# Altium PCB 20211129_mach tren NCKH.PcbDoc (part 1 of 2)
Units mm, origin at the board's own origin, x right, y up, seen from the top; angles counter-clockwise.
Board outline 85.42 x 125.35 mm, 2 copper layers (Top Layer, Bottom Layer); 157 components, 109 nets, 462 pads, 90 vias.
Unrouted connection lines stored in the file: 3.
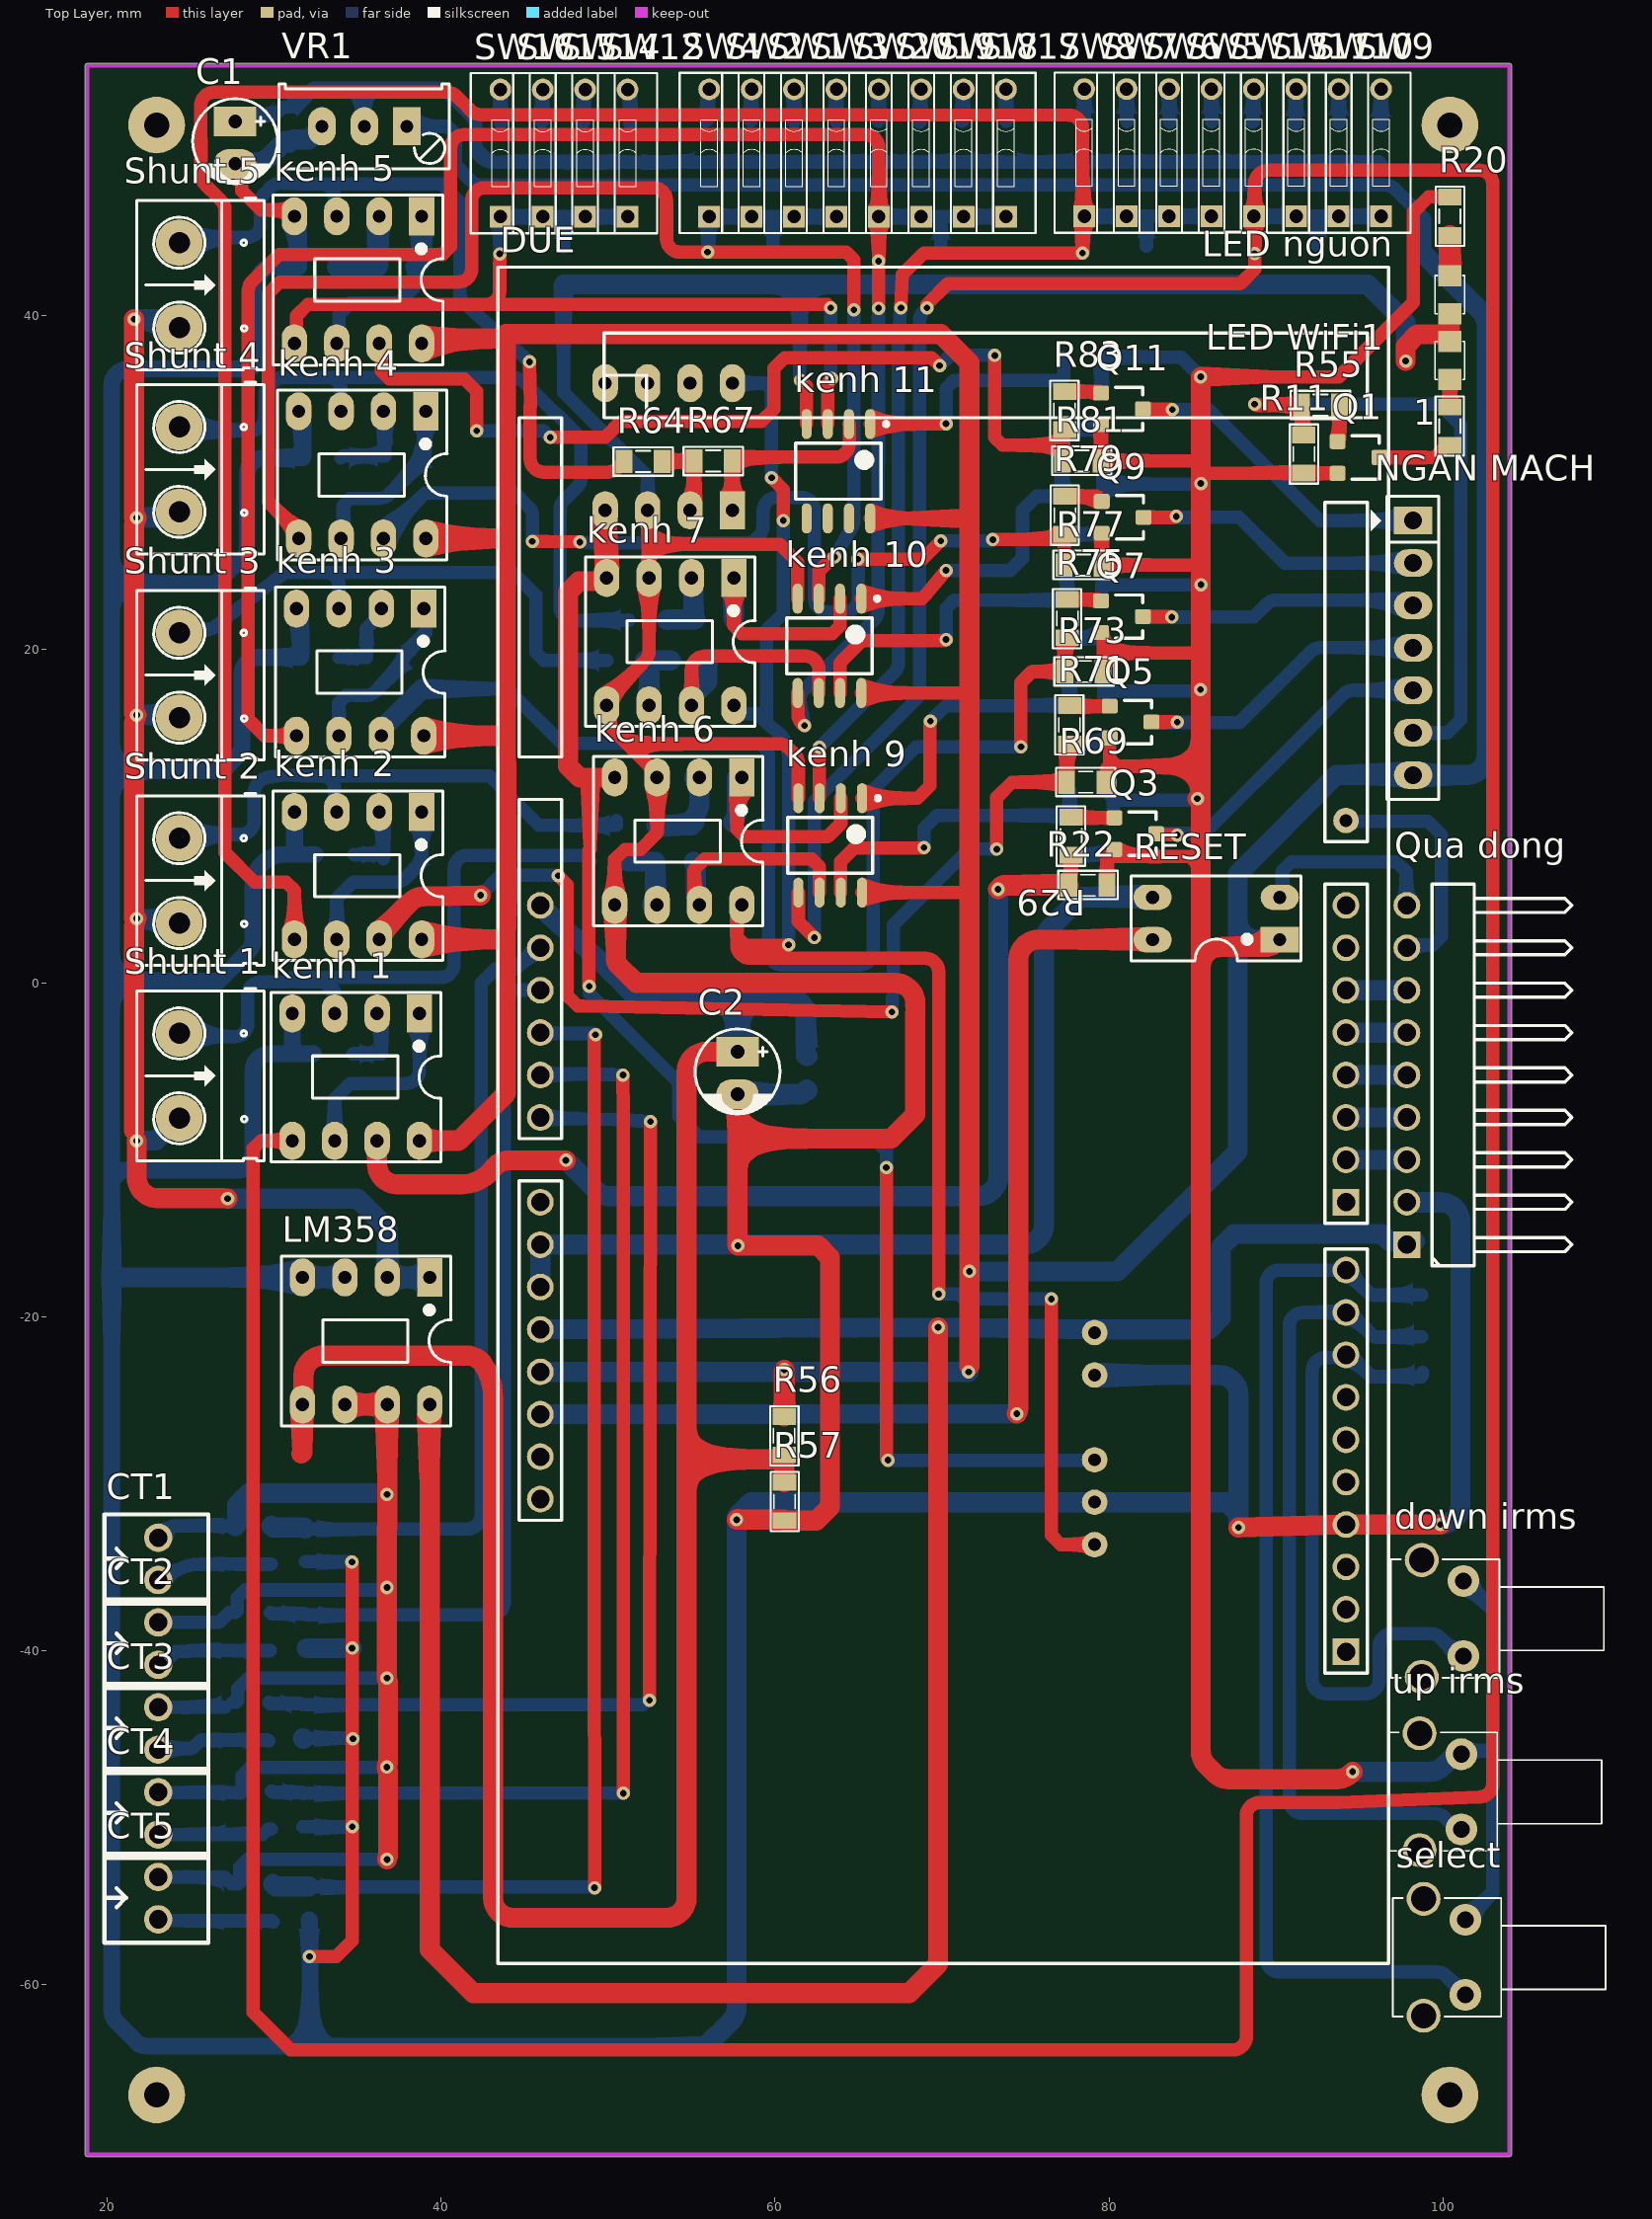
[diagram p0: Top Layer view]
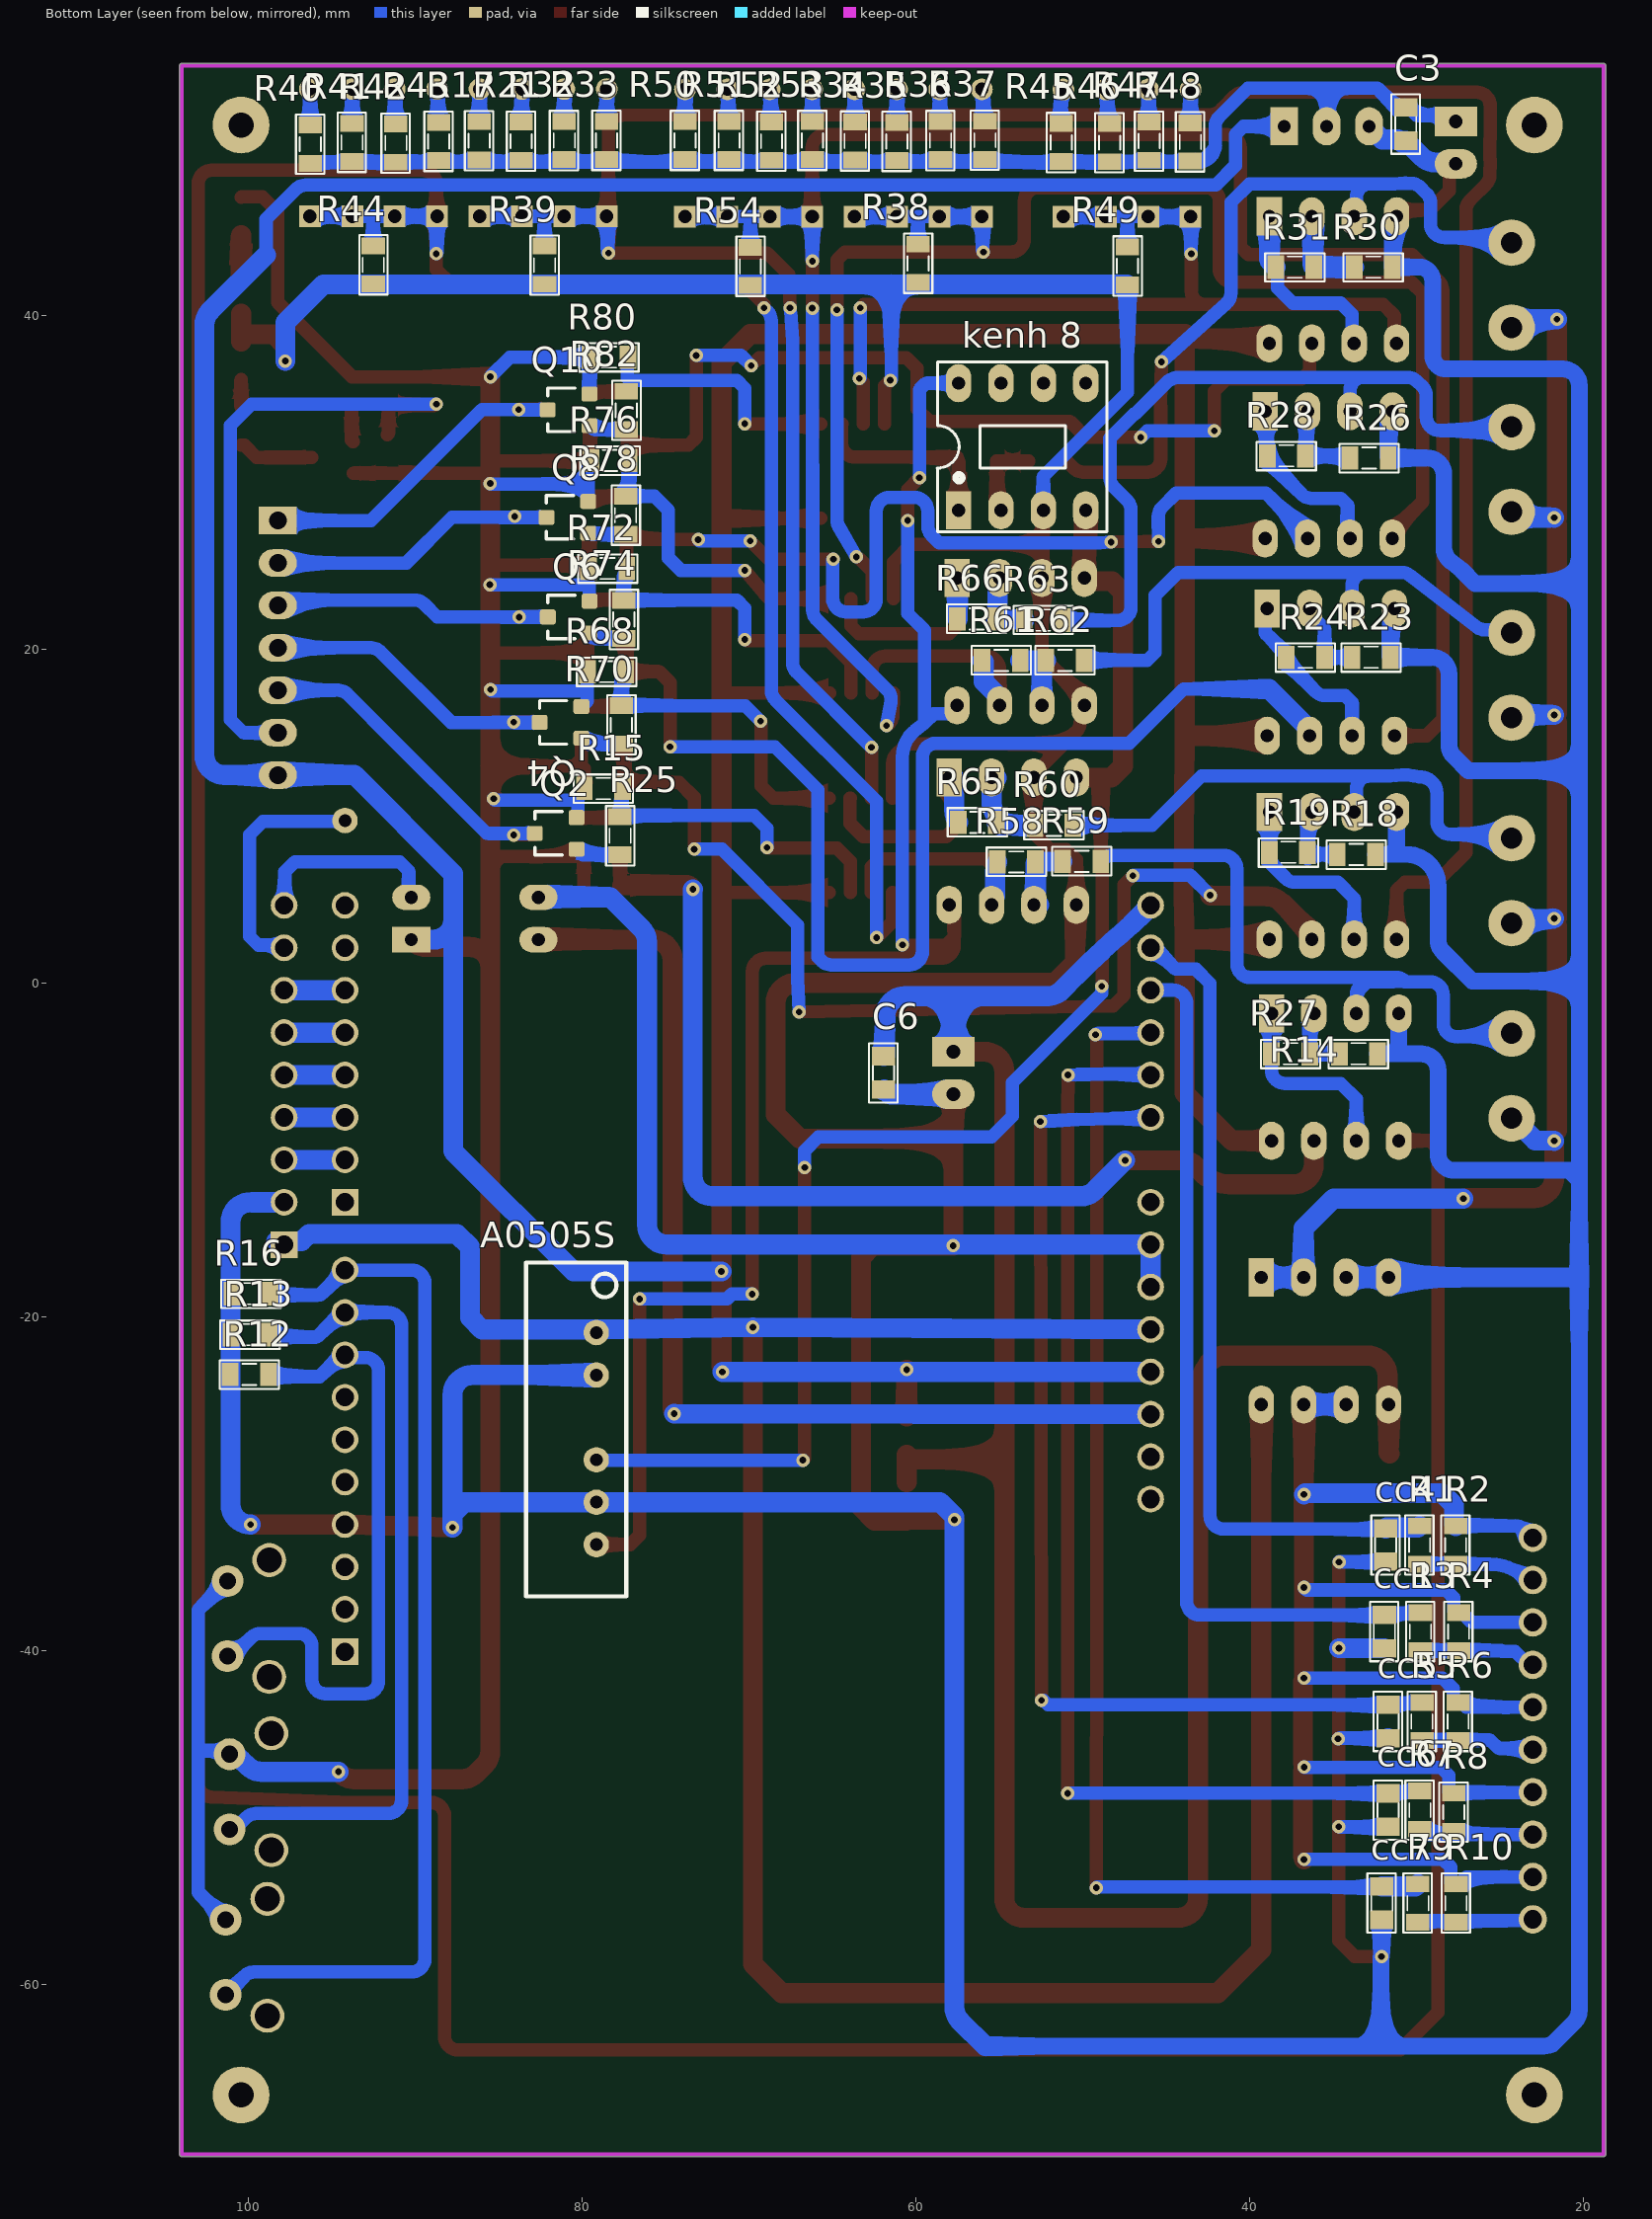
[diagram p1: Bottom Layer view, seen from below]

## Layer stack, top to bottom
Top Solder: solder mask 0.0102, Solder Resist, Dk 3.5
Top Layer: signal copper 0.0356
Dielectric 1: dielectric 0.32, FR-4, Dk 4.8
Bottom Layer: signal copper 0.0356
Bottom Solder: solder mask 0.0102, Solder Resist, Dk 3.5

## Board outline
18.684,-70.145 ccw(c18.811,-70.145) 18.811,-70.273 103.98,-70.273 ccw(c103.98,-70.145) 104.107,-70.145 104.107,54.95 ccw(c103.98,54.95) 103.98,55.077 18.811,55.077 ccw(c18.811,54.95) 18.684,54.95

## Design rules (kind name [scope] priority, off if disabled: settings)
Clearance [All] p1: gap=0.4 ignorepadtopadclearanceinfootprint=FALSE
PolygonConnect [All] p1: connectstyle=Relief reliefconductorwidth=0.254 reliefentries=4 polygonreliefangle="90 Angle" airgapwidth=0.254
RoutingVias [All] p1: holewidth=0.4 width=0.8 viastyle="Through Hole" minholewidth=0.4 minwidth=0.8 maxholewidth=0.4 maxwidth=0.8
SolderMaskExpansion [All] p1: expansion=0.102 istentingtop=FALSE
Width [All] p1: maxlimit=1.2 minlimit=0.6 preferedwidth=0.8
30 further rules are at their usual default settings.

## Components (designator, comment, footprint, x,y, rotation, side; value= is the part's Value field where it differs from the comment)
1 "470" RES-SMD-0805 100.424,33.36 r270 top
A0505S "A0505S" A0505S 79.147,-20.931 r90 bottom
C1 "470uf" CP1/2 27.661,51.616 r270 top value=10uF/50V
C2 "470uf" CP1/2 57.752,-4.105 r270 top value=10uF/50V
C3 "104" CN-SMD-0805 30.658,51.454 r270 bottom value=33pF
C6 "105" CN-SMD-0805 61.943,-5.375 r270 bottom value=33pF
cc1 "223" CN-SMD-0805 31.939,-38.838 r270 bottom value=33pF
cc4 "223" CN-SMD-0805 31.863,-33.655 r270 bottom value=33pF
cc5 "223" CN-SMD-0805 31.715,-44.223 r270 bottom value=33pF
cc6 "223" CN-SMD-0805 31.719,-49.529 r270 bottom value=33pF
cc7 "223" CN-SMD-0805 32.092,-55.101 r270 bottom value=33pF
CT1 "Termial 2.54 2P" "Termial 2P 2.54" 23.05,-34.482 r90 top
CT2 "Termial 2.54 2P" "Termial 2P 2.54" 23.05,-39.562 r90 top
CT3 "Termial 2.54 2P" "Termial 2P 2.54" 23.05,-44.642 r90 top
CT4 "Termial 2.54 2P" "Termial 2P 2.54" 23.05,-49.722 r90 top
CT5 "Termial 2.54 2P" "Termial 2P 2.54" 23.05,-54.802 r90 top
"down irms" "SW" SW1-DIP 101.238,-40.304 r90 top value="SW chip 2 pin"
DUE "Arduino DUE" "Arduino MEGA2560" 69.436,-9.312 r270 top locked value="Cau 1A"
"kenh 1" "LM358" DIP8 35.019,-5.629 r180 top
"kenh 2" "LM358" DIP8 35.146,6.436 r180 top
"kenh 3" "LM358" DIP8 35.273,18.628 r180 top
"kenh 4" "LM358" DIP8 35.4,30.439 r180 top
"kenh 5" "LM358" DIP8 35.146,42.123 r180 top
"kenh 6" "LM358" DIP8 54.328,8.505 r180 top
"kenh 7" "LM358" DIP8 53.85,20.453 r180 top
"kenh 8" "LM358" DIP8 53.763,32.124 r180 bottom locked
"kenh 9" "LM358" SO8 63.301,8.249 r270 top
"kenh 10" "LM358" SO8 63.258,20.205 r270 top
"kenh 11" "LM358" SO8 63.794,30.66 r270 top
"LED nguon" "LED" LED-0805-Blue 100.424,42.377 r270 top value="LED 3 - 5 ly 2 Colour"
"LED WiFi1" "LED" LED-0805-Green 100.424,36.154 r90 top value="LED 3 - 5 ly 2 Colour"
LM358 "LM358" DIP8 35.629,-21.434 r180 top
"NGAN MACH" "JP7 PIN" JP7 98.219,27.705 r270 top locked value=JP7
Q1 "si2303" si2303 94.947,31.485 r270 top value=IRF840
Q2 "si2303" si2303 81.577,8.971 r90 bottom value=IRF840
Q3 "si2303" si2303 81.578,8.951 r270 top value=IRF840
Q4 "si2303" si2303 81.291,15.617 r90 bottom value=IRF840
Q5 "si2303" si2303 81.295,15.64 r270 top value=IRF840
Q6 "si2303" si2303 80.801,21.929 r90 bottom value=IRF840
Q7 "si2303" si2303 80.778,21.949 r270 top value=IRF840
Q8 "si2303" si2303 80.881,27.899 r90 bottom value=IRF840
Q9 "si2303" si2303 80.818,27.899 r270 top value=IRF840
Q10 "si2303" si2303 80.809,34.339 r90 bottom value=IRF840
Q11 "si2303" si2303 80.777,34.393 r270 top value=IRF840
"Qua dong" "JP9" JP9-D1C 100.386,5.928 r90 top
R1 "1k" RES-SMD-0805 29.831,-33.655 r270 bottom
R2 "10R" RES-SMD-0805 27.672,-33.655 r270 bottom
R3 "1k" RES-SMD-0805 29.78,-38.838 r270 bottom
R4 "10R" RES-SMD-0805 27.494,-38.838 r270 bottom
R5 "1k" RES-SMD-0805 29.683,-44.223 r270 bottom
R6 "10R" RES-SMD-0805 27.524,-44.223 r270 bottom
R7 "1k" RES-SMD-0805 29.814,-49.529 r270 bottom
R8 "10R" RES-SMD-0805 27.782,-49.656 r270 bottom
R9 "1k" RES-SMD-0805 29.933,-55.101 r270 bottom
R10 "10R" RES-SMD-0805 27.647,-55.101 r270 bottom
R11 "470" RES-SMD-0805 91.675,31.692 r90 top
R12 "10K" RES-SMD-0805 99.928,-23.435 r180 bottom
R13 "10K" RES-SMD-0805 99.887,-21.052 r180 bottom
R14 "1k" RES-SMD-0805 33.495,-4.232 r180 bottom
R15 "470" RES-SMD-0805 78.72,11.661 r180 bottom
R16 "10K" RES-SMD-0805 99.833,-18.602 r180 bottom
R17 "2k" RES-SMD-0805 86.158,50.453 r270 bottom
R18 "1k" RES-SMD-0805 33.622,7.706 r180 bottom
R19 "9K" RES-SMD-0805 37.686,7.833 r180 bottom
R20 "470" RES-SMD-0805 100.424,45.933 r90 top
R21 "5.1k" RES-SMD-0805 83.644,50.428 r270 bottom
R22 "470" RES-SMD-0805 78.743,5.864 r180 top
R23 "1k" RES-SMD-0805 32.733,19.517 r180 bottom
R24 "9K" RES-SMD-0805 36.67,19.517 r180 bottom
R25 "470" RES-SMD-0805 77.726,8.825 r90 bottom
R26 "1k" RES-SMD-0805 32.86,31.455 r180 bottom
R27 "9K" RES-SMD-0805 37.559,-4.232 r180 bottom
R28 "9K" RES-SMD-0805 37.813,31.582 r180 bottom
R29 "470" RES-SMD-0805 77.733,8.803 r270 top
R30 "1k" RES-SMD-0805 32.606,42.885 r180 bottom
R31 "9K" RES-SMD-0805 37.305,42.885 r180 bottom
R32 "2.7k" RES-SMD-0805 81.068,50.466 r270 bottom
R33 "1.1k" RES-SMD-0805 78.53,50.478 r270 bottom
R34 "2k" RES-SMD-0805 63.645,50.441 r270 bottom
R35 "5.1k" RES-SMD-0805 61.144,50.416 r270 bottom
R36 "2.7k" RES-SMD-0805 58.529,50.47 r270 bottom
R37 "1.1k" RES-SMD-0805 55.864,50.482 r270 bottom
R38 "1k" RES-SMD-0805 59.874,43.115 r90 bottom
R39 "1k" RES-SMD-0805 82.245,43.008 r90 bottom
R40 "2k" RES-SMD-0805 96.273,50.249 r270 bottom
R41 "5.1k" RES-SMD-0805 93.778,50.358 r270 bottom
R42 "2.7k" RES-SMD-0805 91.152,50.315 r270 bottom
R43 "1.1k" RES-SMD-0805 88.585,50.416 r270 bottom
R44 "1k" RES-SMD-0805 92.506,43.023 r90 bottom
R45 "2k" RES-SMD-0805 51.297,50.348 r270 bottom
R46 "5.1k" RES-SMD-0805 48.397,50.34 r270 bottom
R47 "2.7k" RES-SMD-0805 46.028,50.433 r270 bottom
R48 "1.1k" RES-SMD-0805 43.566,50.387 r270 bottom
R49 "1k" RES-SMD-0805 47.329,42.954 r90 bottom
R50 "2k" RES-SMD-0805 73.826,50.471 r270 bottom
R51 "5.1k" RES-SMD-0805 71.192,50.471 r270 bottom
R52 "2.7k" RES-SMD-0805 68.648,50.428 r270 bottom
R53 "1.1k" RES-SMD-0805 66.197,50.471 r270 bottom
R54 "1k" RES-SMD-0805 69.921,42.933 r90 bottom
R55 "470" RES-SMD-0805 92.665,34.617 r180 top
R56 "12K" RES-SMD-0805 60.545,-27.111 r90 top
R57 "12K" RES-SMD-0805 60.57,-31.046 r90 top
R58 "10k" RES-SMD-0805 53.981,7.256 r0 bottom
R59 "1k" RES-SMD-0805 50.072,7.296 r0 bottom
R60 "1k" RES-SMD-0805 51.735,9.449 r0 bottom
R61 "10k" RES-SMD-0805 54.891,19.332 r0 bottom
R62 "1k" RES-SMD-0805 51.072,19.332 r0 bottom
R63 "1k" RES-SMD-0805 52.37,21.74 r0 bottom
R64 "1k" RES-SMD-0805 52.101,31.253 r0 top
R65 "10k" RES-SMD-0805 56.319,9.626 r0 bottom
R66 "10k" RES-SMD-0805 56.365,21.815 r0 bottom
R67 "10k" RES-SMD-0805 56.3,31.281 r0 top
R68 "470" RES-SMD-0805 78.531,18.656 r180 bottom
R69 "470" RES-SMD-0805 78.612,12.032 r180 top
R70 "470" RES-SMD-0805 77.647,15.472 r90 bottom
R71 "470" RES-SMD-0805 77.639,15.471 r270 top
R72 "470" RES-SMD-0805 78.465,24.837 r180 bottom
R73 "470" RES-SMD-0805 78.508,18.661 r180 top
R74 "470" RES-SMD-0805 77.501,21.782 r90 bottom
R75 "470" RES-SMD-0805 77.508,21.835 r270 top
R76 "470" RES-SMD-0805 78.321,31.306 r180 bottom
R77 "470" RES-SMD-0805 78.448,25.042 r180 top
R78 "470" RES-SMD-0805 77.389,28.026 r90 bottom
R79 "470" RES-SMD-0805 77.363,28.031 r270 top
R80 "470" RES-SMD-0805 78.391,37.494 r180 bottom
R81 "470" RES-SMD-0805 78.369,31.279 r180 top
R82 "470" RES-SMD-0805 77.348,34.304 r90 bottom
R83 "470" RES-SMD-0805 77.342,34.295 r270 top
RESET "PC817" DIP4 90.23,2.601 r90 top
select "SW" SW1-DIP 101.348,-60.597 r90 top value="SW chip 2 pin"
"Shunt 1" "Header 2_1" HED2 24.316,-3.012 r270 top value="Header 2"
"Shunt 2" "Header 2_1" HED2 24.316,8.68 r270 top value="Header 2"
"Shunt 3" "Header 2_1" HED2 24.316,20.983 r270 top value="Header 2"
"Shunt 4" "Header 2_1" HED2 24.316,33.308 r270 top value="Header 2"
"Shunt 5" "Header 2_1" HED2 24.316,44.347 r270 top value="Header 2"
SW1 "SW" SW-DIP1-1 61.135,49.724 r0 top value="SW chip 2 pin"
SW2 "SW" SW-DIP1-1 58.595,49.724 r0 top value="SW chip 2 pin"
SW3 "SW" SW-DIP1-1 63.675,49.724 r0 top value="SW chip 2 pin"
SW4 "SW" SW-DIP1-1 56.055,49.724 r0 top value="SW chip 2 pin"
SW5 "SW" SW-DIP1-1 86.142,49.741 r0 top value="SW chip 2 pin"
SW6 "SW" SW-DIP1-1 83.602,49.741 r0 top value="SW chip 2 pin"
SW7 "SW" SW-DIP1-1 81.062,49.741 r0 top value="SW chip 2 pin"
SW8 "SW" SW-DIP1-1 78.522,49.741 r0 top value="SW chip 2 pin"
SW9 "SW" SW-DIP1-1 96.302,49.741 r0 top value="SW chip 2 pin"
SW10 "SW" SW-DIP1-1 93.762,49.741 r0 top value="SW chip 2 pin"
SW11 "SW" SW-DIP1-1 91.222,49.741 r0 top value="SW chip 2 pin"
SW12 "SW" SW-DIP1-1 51.167,49.714 r0 top value="SW chip 2 pin"
SW13 "SW" SW-DIP1-1 88.682,49.741 r0 top value="SW chip 2 pin"
SW14 "SW" SW-DIP1-1 48.627,49.714 r0 top value="SW chip 2 pin"
SW15 "SW" SW-DIP1-1 46.087,49.714 r0 top value="SW chip 2 pin"
SW16 "SW" SW-DIP1-1 43.547,49.714 r0 top value="SW chip 2 pin"
SW17 "SW" SW-DIP1-1 73.835,49.724 r0 top value="SW chip 2 pin"
SW18 "SW" SW-DIP1-1 71.295,49.724 r0 top value="SW chip 2 pin"
SW19 "SW" SW-DIP1-1 68.755,49.724 r0 top value="SW chip 2 pin"
SW20 "SW" SW-DIP1-1 66.215,49.724 r0 top value="SW chip 2 pin"
"up irms" "SW" SW1-DIP 101.109,-50.679 r90 top value="SW chip 2 pin"
VR1 "10K" VR1 37.938,51.32 r180 top value="VR 10K"

## Footprints (in the part's own frame and the unit in brackets; to place one, negate y for a bottom-side part, rotate by r counter-clockwise, add the part's x,y. Pads: shape width x height; smd on the part's side, far side on the other; paste and mask are expansions set on the pad)
A0505S [mil]
  round 60 hole 30: 0(-400,0) 5V(0,0) GND(-100,0) V+(-500,0) V-(-300,0)
  silkscreen extent -622,-71 165,165, body extent -622,-71 165,165, height 354
"Arduino MEGA2560" [mm]
  round 1.6 hole 1.1: 0-RX(-13.97,24.765) 1-TX(-11.43,24.765) 2(-8.89,24.765) 3V3(13.97,-23.495) 4(-3.81,24.765) 5V(11.43,-23.495) 8(7.874,24.765) 12(18.034,24.765) 13(20.574,24.765) A0(-1.27,-23.495) A1(-3.81,-23.495) A2(-6.35,-23.495) A3(-8.89,-23.495) A4(-11.43,-23.495) A5(-13.97,-23.495) AREF(25.654,24.765) GND(6.35,-23.495) GND(8.89,-23.495) GND(23.114,24.765) IOREF(19.05,-23.495) RESET(16.51,-23.495) SDA(28.194,24.765) Vin(3.81,-23.495) ~3(-6.35,24.765) ~5(-1.27,24.765) ~6(1.27,24.765) ~9(10.414,24.765) ~10(12.954,24.765) ~11(15.494,24.765) ""(21.59,-23.495)
  rect 1.6x1.6 hole 1.1: 7(3.81,24.765) SCL(30.734,24.765)
  round 0 all layers, no hole: ""(-46.99,-23.495) ""(-40.64,24.765) ""(-16.51,9.525) ""(-16.51,-18.415) ""(34.29,24.765) ""(35.56,-23.495)
  silkscreen extent -52.2,-26.04 49.4,27.31, body extent -52.07,-26.03 55.88,27.31, height 15.2
CN-SMD-0805 [mm]
  rect 1.1x1.397 smd: 1(-1,0) 2(1,0)
  silkscreen extent -1.78,-0.86 1.78,0.84, body extent -1,-0.62 1,0.63, height 0.8
CP1/2 [mil] "Tu hoa < 22uF/16>50V"
  rect 70x100 hole 32: 1(0,0)
  oval 70x100 hole 32: 2(100,0)
  silkscreen extent -53,-100 146,100, body extent -49,-99 149,99, height 287
DIP4 [mil]
  rect 60x90 hole 31: 1(0,0)
  oval 60x90 hole 31: 2(100,0) 3(100,300) 4(0,300)
  silkscreen extent -50,-50 150,350, body extent -59,-10 159,305, height 170
DIP8 [mil] "DIP, 8-Leads, Row Spacing 7.62mm, Pitch 2.54mm, Body 9.91x6.73mm"
  rect 60x90 hole 31: 1(-145,-150)
  oval 60x90 hole 31: 2(-45,-150) 3(55,-150) 4(155,-150) 5(155,150) 6(55,150) 7(-45,150) 8(-145,150)
  silkscreen extent -195,-200 205,200, body extent -213,-153 213,153, height 177
HED2 [mil] "Header 2, 2 pin, hight 300mil, Pin to Pin 200, Colour Green"
  round 110 hole 50: 1(0,0) 2(200,0)
  silkscreen extent -106,-100 300,200, body extent -92,-140 302,155, height 394
JP7 [mil] "JP7"
  rect 65x90 hole 42: 1(0,0)
  oval 65x90 hole 42: 2(100,0) 3(200,0) 4(300,0) 5(400,0) 6(500,0) 7(600,0)
  silkscreen extent -57,-100 658,60, body extent -50,-49 646,49, height 323
JP9-D1C [mm] "9 pins, 1 row, right angled, gold plating"
  rect 1.6x1.6 hole 1.1: 1(-21.59,2.54)
  round 1.6 hole 1.1: 2(-19.05,2.54) 3(-16.51,2.54) 4(-13.97,2.54) 5(-11.43,2.54) 6(-8.89,2.54) 7(-6.35,2.54) 8(-3.81,2.54) 9(-1.27,2.54)
  silkscreen extent -22.86,-7.34 0,1.04, body extent -22.86,-7.52 0,2.84, height 2.55
LED-0805-Blue [mil]
  rect 50x55 smd: 1(0,0) 2(90,0)
  silkscreen extent 0,-35 90,35, body extent 5,-25 85,25, height 43
LED-0805-Green [mil]
  rect 50x55 smd: 1(0,0) 2(90,0)
  silkscreen extent 0,-35 90,35, body extent 5,-25 85,25, height 43
RES-SMD-0805 [mil]
  rect 39.37x55 smd: 1(-45,0) 2(45,0)
  silkscreen extent -70,-34 70,33, body extent -39,-25 39,25, height 31
si2303 [mm] "SOT23-132"
  rrect30% 0.9x0.95 smd: 1(-0.95,-1.25) 3(0,1.25)
  rrect30% 0.9x0.95 smd mask+0: 2(0.95,-1.25)
  silkscreen extent -1.3,-0.38 1.3,1.25, body extent -1.52,-1.23 1.48,1.27, height 1.06
SO8 [mm] "SOIC, 8-Leads, Body 4.9x3.9mm, Pitch 1.27mm, IPC High Density"
  oval 1.8x0.6 smd: 1(-2.825,1.905) 2(-2.825,0.635) 3(-2.825,-0.635) 4(-2.825,-1.905) 5(2.825,-1.905) 6(2.825,-0.635) 7(2.825,0.635) 8(2.825,1.905)
  silkscreen extent -2.95,-2.55 1.68,2.98, body extent -2.99,-2.45 3,2.45, height 1.6
SW1-DIP [mil]
  round 75 hole 40: 1(0,0) 2(177.16,0)
  round 80 hole 60: ""(-49.21,98.42) ""(226.38,98.42)
  silkscreen extent -51,-331 228,171, body extent -87,-398 265,160, height 283
SW-DIP1-1 [mm] "01p, 2.54mm Pitch, Horizontal, Box Type, THT, flat Actuator, red, without Tape, Tube"
  rect 1.3x1.3 hole 0.8: 1(0,-3.81)
  round 1.3 hole 0.8: 2(0,3.81)
  silkscreen extent -1.77,-4.8 1.77,4.8, body extent -1.77,-4.8 1.77,4.8, height 5.4
"Termial 2P 2.54" [mm] "2P-2.54"
  round 1.7 hole 1.1: 1(1.27,0) 2(-1.27,0)
  silkscreen extent -2.67,-3 2.66,3.21, body extent -2.77,-3.1 2.77,3.1, height 8.5
VR1 [mil] "Variable Resistor"
  rect 65x90 hole 30: 1(0,0)
  oval 65x90 hole 30: 2(100,0) 3(200,0)
  silkscreen extent -100,-100 301,100, body extent -88,-130 288,110, height 455

## Part data
1 R1 R2 R3 R4 R5 R6 R7 R8 R9 R10 R11 R12 R13 R14 R15 R16 R17 R18 R19 R20 R21 R22 R23 R24 R25 R26 R27 R28 R29 R30 R31 R32 R33 R34 R35 R36 R37 R38 R39 R40 R41 R42 R43 R44 R45 R46 R47 R48 R49 R50 R51 R52 R53 R54 R55 R56 R57 R58 R59 R60 R61 R62 R63 R64 R65 R66 R67 R68 R69 R70 R71 R72 R73 R74 R75 R76 R77 R78 R79 R80 R81 R82 R83: library part Res, "Res", Manufacturer="Generic Components", Class=Passive, Published=08/06/2000, Publisher="Altium Hobart Technology Centre", SubClass=R
C1 C2: library part CP1, "Cap P  0,1uF < 22uF , 16 - 50V", Description 1="10 => 220uF/6,3V/10V - 10uF => 100uF/16V", Description 2="0,1uF => 33uF/50V - 10uF => 22uF/63V", Description 3="0,47uF => 10uF/100V"
C3 C6 cc1 cc4 cc5 cc6 cc7: library part CN
CT1 CT2 CT3 CT4 CT5: library part "Termial 2P 2.54", "Header IDC, 2 x 1 Pin Vertical 2.54mm Pitch (Non-Boxed, Male)", Manufacturer="W¨¹rth Elektronik eiSos GmbH", partNo=613002143121, ComponentLink1 Description=Manufacturer, ComponentLink1URL=http://www.we-online.com, ComponentLink2 Description=Datasheet, ComponentLink2URL=http://katalog.we-online.de/em/datasheet/6130xx143121.pdf, Created by="Karrer Zheng", Created Date="29 March 2013", NoPins=02
"down irms" select SW1 SW2 SW3 SW4 SW5 SW6 SW7 SW8 SW9 SW10 SW11 SW12 SW13 SW14 SW15 SW16 SW17 SW18 SW19 SW20 "up irms": library part SW2, "Switch button 2 pin"
DUE: library part "Arduino Mega2560", "Arduino MEGA2560"
"kenh 1" "kenh 2" "kenh 3" "kenh 4" "kenh 5" "kenh 6" "kenh 7" "kenh 8" "kenh 9" "kenh 10" "kenh 11" LM358: library part LM393, "IC DUAL COMPARATOR"
"LED nguon" "LED WiFi1": library part "LED SMD"
"NGAN MACH": library part JP7
"Qua dong": "WR-PHD 2.54 mm Angled Socket Header", Manufacturer="W¨¹rth Elektronik eiSos GmbH", partNo=613009143121, ComponentLink1 Description=Manufacturer, ComponentLink1URL=http://www.we-online.com, ComponentLink2 Description=Datasheet, ComponentLink2URL=http://katalog.we-online.de/em/datasheet/6130xx143121.pdf, Created by="Karrer Zheng", Created Date="29 March 2013", NoPins=09
RESET: "Single Opto"
"Shunt 1" "Shunt 2" "Shunt 3" "Shunt 4" "Shunt 5": "Header, 2-Pin", Manufacturer="Generic Components", Class=Connector
VR1: library part VR, "Var Resistor"

## Free pads (board coordinates)
  round 3.4 hole 1.5: 2(22.954,-66.589) 2(22.954,51.394) 2(100.424,-66.589) 2(100.424,51.394)
  round 1.524 hole 0.762: 3(94.201,9.738)

## Via types
v1: diameter 0.8, hole 0.4, Top Layer to Bottom Layer, 90 vias

## Nets (pads, with @x,y where several pads share a name; then routed paths per layer and width w, separated by ;. In a path a pad name is that pad's centre, name@x,y a point inside that pad or via, vN(x,y) a via of type N, cw(c..) or ccw(c..) an arc to the next point about the centre after c; other vN are vias at no path point)
1: "NGAN MACH.5" Q2.3 Q3.3 | length 20.2
  Top Layer w0.8: Q3.3@82.828,8.951 82.878,8.901 84.072,8.901 v1(84.099,8.874)
  Bottom Layer w0.8: Q2.3@82.827,8.971 85.715,8.971 86.338,9.594 ccw(c85.772,10.159) 86.339,9.595 91.154,14.41 cw(c91.72,13.844) 91.155,14.411 94.055,17.311 cw(c94.62,16.745) 94.618,17.545 94.62,17.545 98.219,17.545
2: "NGAN MACH.4" Q4.3 Q5.3 | length 19.1
  Top Layer w0.8: Q5.3@82.545,15.64 84.089,15.64 v1(84.099,15.63)
  Bottom Layer w0.8: Q4.3@82.541,15.617 87.839,15.617 92.073,19.851 cw(c92.638,19.285) 92.636,20.085 92.638,20.085 98.219,20.085
3: "NGAN MACH.3" Q6.3 Q7.3 | length 18.4
  Top Layer w0.8: Q7.3@82.028,21.949 83.741,21.949 v1(83.768,21.922)
  Bottom Layer w0.8: Q6.3@82.051,21.929 88.679,21.929 89.466,22.716 cw(c90.031,22.15) 90.031,22.95 97.562,22.95 cw(c97.562,22.15) 98.128,22.716 98.219,22.625
3V3: "down irms.2" "kenh 1.8" "kenh 2.8" "kenh 3.8" "kenh 4.8" "kenh 5.8" "kenh 9.8" "kenh 10.8" "kenh 11.8" "NGAN MACH.7" "up irms.2" DUE.3V3 Q1.2 Q2.2 Q3.2 Q4.2 Q5.2 Q6.2 Q7.2 Q8.2 Q9.2 Q10.2 Q11.2 R11.1 R15.1 R20.2 R22.1 R56.2 R68.1 R69.1 R72.1 R73.1 R76.1 R77.1 R80.1 R81.1 RESET.1 select.2 VR1.1 | length 602.7
  Top Layer w0.8: 65.163,17.38 71.574,17.38 71.645,17.451 ; 65.206,5.424 71.565,5.424 71.645,5.344 ; 65.699,27.835 71.645,27.835 ; Q11.2@79.527,33.443 79.52,33.436 79.52,31.286 R81.1@79.512,31.279 85.234,31.279 85.499,31.544 ; Q7.2@79.528,20.999 79.553,20.999 79.651,20.901 79.651,19.781 ; Q9.2@79.568,26.949 79.58,26.937 79.58,25.054 R77.1@79.591,25.042 85.288,25.042 85.499,25.253 ; R73.1@79.651,18.661 79.651,19.781 ; R69.1@79.755,12.032 79.855,12.132 79.855,12.85 80.045,13.04 80.045,13.439 ; R22.1@79.886,5.864 79.886,7.584 84.889,7.584 85.499,6.975 ; Q5.2@80.045,14.69 80.045,13.439 ; v1(85.495,36.316) 93.778,36.316 98.219,40.757 98.219,46.168 99.15,47.099 100.4,47.099 R20.2@100.424,47.076 ; 85.499,12.992 80.492,12.992 80.045,13.439 ; 85.499,19.472 85.19,19.781 79.651,19.781 ; 85.499,30.571 85.521,30.549 R11.1@91.675,30.549 91.682,30.542 93.69,30.542 Q1.2@93.697,30.535
  Top Layer w1.2: 38.702,-9.439 41.052,-9.439 43.893,-6.598 43.893,2.774 ; 38.829,2.626 43.745,2.626 43.893,2.774 ; 38.829,38.313 38.829,38.594 43.086,38.594 ccw(c43.086,39.794) 43.869,38.884 43.893,38.884 ; 38.956,14.818 43.77,14.818 43.893,14.941 ; 39.083,26.629 43.779,26.629 43.893,26.515 ; R56.2@60.545,-25.968 60.545,-23.158 v1(60.555,-23.148) ; v1@71.645,-22.942 71.65,-22.937 v1(71.65,-17.262) ; v1@71.645,-17.262 71.645,5.344 71.645,17.451 71.645,27.835 71.645,30.777 71.645,30.779 71.645,36.677 71.645,37.176 69.937,38.884 43.893,38.884 ; v1(85.297,11.044) 85.499,10.842 85.499,6.975 85.499,0.957 ; v1(85.495,36.316) 85.499,36.312 85.499,31.544 85.499,30.571 85.499,25.253 85.499,19.472 85.499,12.992 v1@85.499,11.044 ; RESET.1@90.23,2.601 90.138,2.509 cw(c89.289,3.357) 89.289,2.157 86.699,2.157 ccw(c86.699,0.957) 85.499,0.957 ; v1(94.59,-47.234) 94.498,-47.326 cw(c93.649,-46.478) 93.649,-47.678 87.182,-47.678 cw(c87.182,-46.478) 86.335,-47.327 85.849,-46.842 cw(c86.699,-45.995) 85.499,-45.995 85.499,0.957 ; 43.893,2.774 cw(c45.093,2.774) 43.894,2.812 43.97,5.209 ccw(c42.371,5.26) 43.971,5.273 43.893,14.931 cw(c45.093,14.941) 43.893,14.941 ; 43.893,14.941 43.893,26.515 ; 43.893,26.515 43.893,38.884
  Bottom Layer w0.8: VR1.1@37.938,51.32 40.374,51.32 40.868,50.826 40.868,48.973 42.042,47.799 96.557,47.799 cw(c96.557,46.999) 97.123,47.565 98.924,45.763 98.924,43.606 ; 38.983,2.78 38.829,2.626 38.829,2.811 39.163,3.145 ; R76.1@79.464,31.306 79.464,31.108 79.631,30.941 79.631,29.895 ; Q6.2@79.551,22.879 79.58,22.908 79.58,23.858 85.516,23.858 v1(85.52,23.862) ; Q10.2@79.559,35.289 79.547,35.301 79.547,37.482 R80.1@79.534,37.494 84.317,37.494 v1(85.495,36.316) ; Q8.2@79.631,28.849 79.631,29.895 ; R68.1@79.674,18.656 79.674,17.503 ; R15.1@79.863,11.661 79.863,11.463 80.252,11.074 80.252,9.971 80.302,9.921 Q2.2@80.327,9.921 ; Q4.2@80.041,16.567 80.016,16.567 79.674,16.909 79.674,17.503 ; 80.574,10.95 85.202,10.95 v1(85.297,11.044) ; v1(85.481,17.581) 85.403,17.503 79.674,17.503 ; v1(85.501,29.929) 85.467,29.895 79.631,29.895 ; 101.109,-46.179 101.32,-45.968 102.764,-45.968 102.99,-45.741 ; 101.238,-35.804 102.99,-37.557 102.99,-45.741 ; select.2@101.348,-56.097 102.99,-54.455 102.99,-45.741
  Bottom Layer w1.2: DUE.3V3@45.941,-23.282 v1(71.595,-23.282) ; v1(71.65,-17.262) 80.512,-17.262 87.718,-10.056 87.718,3.798 ; RESET.1@90.23,2.601 88.916,2.601 cw(c88.918,3.801) 87.718,3.798 ; v1(94.59,-47.234) 99.196,-47.234 ccw(c99.196,-46.034) 100.043,-46.884 100.406,-46.521 cw(c101.254,-47.371) 101.109,-46.179 ; 98.924,43.606 102.267,40.263 cw(c101.418,39.415) 102.618,39.415 102.618,13.665 cw(c101.418,13.665) 101.418,12.465 98.219,12.465 93.625,12.465 87.718,6.558 87.718,3.798
4: "NGAN MACH.2" Q8.3 Q9.3 | length 19.2
  Top Layer w0.8: Q9.3@82.068,27.899 83.974,27.899 v1(84.029,27.954)
  Bottom Layer w0.8: Q8.3@82.131,27.899 87.788,27.899 90.522,25.165 98.219,25.165
5: "NGAN MACH.1" Q10.3 Q11.3 | length 20.7
  Top Layer w0.8: Q11.3@82.027,34.393 82.062,34.358 v1(83.793,34.358)
  Bottom Layer w0.8: Q10.3@82.059,34.339 83.774,34.339 v1(83.793,34.358) 85.995,34.358 92.648,27.705 98.219,27.705
5V: "kenh 6.8" "kenh 7.8" "kenh 8.8" "Qua dong.1" A0505S.5V A0505S.V+ DUE.5V LM358.8 | length 261.8
  Top Layer w0.8: 57.707,4.682 57.707,2.748 ; v1(59.794,30.267) 60.491,29.569 v1(60.491,27.709) ; v1(60.807,2.294) 58.813,2.279 cw(c58.807,3.079) 58.807,2.279 58.176,2.279 57.939,2.515 57.707,2.748 ; v1(69.802,-18.623) ccw(c69.002,-18.61) 69.802,-18.61 69.802,0.685 ccw(c69.002,0.683) 69.002,1.483 58.507,1.483 cw(c58.507,2.283) 57.707,2.283 57.707,2.748 ; v1(76.554,-18.922) 76.554,-33.062 77.123,-33.631 A0505S.V+@79.147,-33.631
  Top Layer w1.2: LM358.8@39.312,-25.244 39.312,-57.881 41.919,-60.488 68.028,-60.488 69.769,-58.747 v1(69.769,-20.61)
  Bottom Layer w0.8: 57.446,35.934 59.409,35.934 59.794,35.549 v1(59.794,30.267) ; 57.533,16.643 57.533,16.458 57.867,16.123 58.944,16.123 59.49,15.577 ; v1(60.491,27.709) 60.491,22.143 59.49,21.143 59.49,15.577 ; v1(60.807,2.294) 60.807,13.564 ccw(c58.807,13.561) 60.059,15.121 59.49,15.577 ; v1(69.802,-18.623) 71.031,-18.623 71.33,-18.922 v1(76.554,-18.922)
  Bottom Layer w1.2: DUE.5V@45.941,-20.742 v1(69.769,-20.61) 79.15,-20.741 79.224,-20.742 ccw(c79.241,-19.542) 79.241,-20.742 86.006,-20.742 86.709,-20.039 86.709,-15.811 87.498,-15.022 96.355,-15.022 96.795,-15.462 98.319,-15.462
-5V: "kenh 6.4" "kenh 7.4" "kenh 8.4" A0505S.V- | length 87.2
  Top Layer w0.6: 50.391,11.934 50.391,12.315
  Top Layer w0.8: v1(48.872,-0.184) 48.829,-0.141 48.829,7.934 48.929,8.034 48.929,12.302 ; v1(66.663,-11.044) 66.663,-28.465 v1(66.769,-28.571)
  Top Layer w1.2: 49.826,28.314 49.87,28.27 49.87,24.307 49.913,24.263 49.913,24.225 49.763,24.075 48.248,24.075 47.592,23.419 47.592,13.005 48.295,12.302 48.929,12.302 50.087,12.302
  Bottom Layer w0.8: v1(48.872,-0.184) 48.872,-0.612 54.22,-5.96 54.22,-7.972 55.459,-9.211 65.843,-9.211 66.663,-10.031 v1(66.663,-11.044) ; v1(66.769,-28.571) 79.127,-28.571 A0505S.V-@79.147,-28.551
A0: cc5.1 DUE.A0 R5.1 | length 64.3
  Top Layer w0.8: v1(52.481,-42.957) v1(52.545,-8.296)
  Bottom Layer w0.8: R5.1@29.683,-43.08 29.755,-43.151 31.644,-43.151 cc5.1@31.715,-43.223 52.087,-43.223 52.353,-42.957 v1(52.481,-42.957) ; DUE.A0@45.941,-8.042 46.004,-8.106 48.278,-8.106 cw(c48.278,-8.906) 48.301,-8.106 50.31,-8.164 ; 50.311,-8.164 cw(c50.287,-8.963) 50.335,-8.165 v1(52.545,-8.296)
A1: cc6.1 DUE.A1 R7.1 | length 69.2
  Top Layer w0.8: v1(50.894,-5.502) 50.902,-7.734 ; 50.902,-7.735 cw(c50.102,-7.737) 50.902,-7.737 v1(50.912,-48.523)
  Bottom Layer w0.8: R7.1@29.814,-48.386 29.886,-48.458 31.648,-48.458 cc6.1@31.719,-48.529 31.723,-48.526 50.909,-48.526 v1(50.912,-48.523) ; DUE.A1@45.941,-5.502 46.004,-5.439 48.659,-5.439 cw(c48.659,-6.239) 48.682,-5.439 v1(50.894,-5.502)
A2: cc7.1 DUE.A2 R9.1 | length 73.8
  Top Layer w0.8: v1(49.189,-54.183) 49.179,-36.046 49.179,-3.153 v1(49.243,-3.089)
  Bottom Layer w0.8: cc7.1@32.092,-54.101 32.133,-54.142 49.148,-54.142 v1(49.189,-54.183) ; DUE.A2@45.941,-2.962 46.004,-3.026 49.179,-3.026 v1(49.243,-3.089)
  Bottom Layer w1.2: R9.1@29.933,-53.958 R9.1@29.933,-53.958 30.075,-54.101 cc7.1@32.092,-54.101
A3: cc1.1 DUE.A3 R3.1 | length 53
  Bottom Layer w0.8: R3.1@29.78,-37.695 29.852,-37.766 31.867,-37.766 cc1.1@31.939,-37.838 32.237,-37.847 42.984,-37.847 ccw(c42.982,-37.047) 43.782,-37.047 43.782,-1.222 cw(c44.582,-1.222) 44.582,-0.422 DUE.A3@45.941,-0.422
A4: cc4.1 DUE.A4 R1.1 | length 49.3
  Bottom Layer w0.8: cc4.1@31.971,-32.695 41.587,-32.695 ccw(c41.585,-31.895) 42.385,-31.895 42.385,-1.438 42.385,-0.013 43.231,0.833 44.44,0.833 45.724,2.118 DUE.A4@45.941,2.118
  Bottom Layer w1.2: R1.1@29.831,-32.512 29.924,-32.605 31.813,-32.605 cc4.1@31.863,-32.655
A5: C2.1 C6.1 DUE.A5 LM358.5 R56.1 R57.2 | length 146.8
  Top Layer w1.2: 31.621,-28.187 31.692,-28.116 LM358.5@31.692,-25.244 31.754,-25.182 31.754,-23.501 cw(c32.954,-23.503) 32.952,-22.303 41.526,-22.303 cw(c41.524,-23.503) 42.523,-22.839 cw(c39.617,-24.771) 43.107,-24.771 43.107,-54.786 ccw(c44.307,-54.786) 44.307,-55.986 53.504,-55.986 ccw(c53.504,-54.786) 54.704,-54.786 54.704,-28.524 ; C2.1@57.752,-4.105 55.904,-4.105 ccw(c55.904,-5.305) 54.704,-5.305 54.704,-28.524 ; R57.2@60.57,-29.903 60.558,-29.89 60.558,-28.267 R56.1@60.545,-28.254 60.545,-28.256 60.447,-28.354 60.445,-28.354 60.275,-28.524 54.704,-28.524
  Bottom Layer w1.2: DUE.A5@45.941,4.658 47.102,3.496 47.104,3.494 cw(c13.524,-36.224) 51.234,-0.403 51.236,-0.406 ccw(c52.104,0.423) 52.102,-0.777 57.752,-0.777 ; C2.1@57.752,-4.105 57.752,-0.777 ; C6.1@61.943,-4.376 61.894,-4.376 61.844,-4.326 61.844,-1.977 ccw(c60.644,-1.977) 60.644,-0.777 57.752,-0.777
AGND: "Shunt 1.2" "Shunt 2.2" "Shunt 3.2" "Shunt 4.2" "Shunt 5.2" LM358.1 LM358.2 | length 87.4
  Top Layer w1.2: 21.6,-8.835 21.6,3.269 cw(c22.8,3.269) v1(21.765,3.876) ; v1@21.6,3.876 21.6,15.449 cw(c22.8,15.449) v1(21.765,16.057) ; v1@21.6,16.145 21.6,27.27 cw(c22.8,27.27) v1(21.765,27.877) ; v1@21.6,27.877 v1(21.6,39.765) ; v1(21.765,-9.443) 21.765,-11.644 ccw(c22.965,-11.644) 22.115,-12.491 22.153,-12.529 ccw(c23,-11.679) 23,-12.879 26.96,-12.879 cw(c26.96,-14.079) v1(27.208,-12.905)
  Bottom Layer w1.2: v1(21.6,39.765) 24.478,39.583 ; v1(21.765,-9.443) 21.767,-9.442 cw(c21.944,-10.629) 21.944,-9.429 22.914,-9.429 24.046,-8.296 24.478,-8.296 ; v1(21.765,3.876) 24.316,3.6 24.478,3.896 ; v1(21.765,16.057) 21.767,16.057 cw(c21.944,14.87) 21.944,16.07 24.587,16.07 ; v1(21.765,27.877) 21.767,27.877 cw(c21.944,26.69) 21.944,27.89 24.469,27.89 24.605,28.026 ; v1(27.208,-12.905) 34.99,-12.905 36.772,-14.687 LM358.2@36.772,-17.624 LM358.1@39.312,-17.624
"CONG AP": CT1.1 CT2.1 CT3.1 CT4.1 CT5.1 LM358.6 LM358.7 R2.1 R4.1 R6.1 R8.1 R10.1 | length 107.1
  Top Layer w1.2: LM358.6@34.232,-25.244 LM358.7@36.772,-25.244 36.772,-32.602 36.753,-32.621 v1(36.753,-36.197) v1@36.753,-41.627 ; v1(36.758,-52.486) ccw(c35.615,-52.12) 36.815,-52.123 36.815,-47.372 ccw(c35.615,-47.372) v1(36.742,-46.959) ccw(c35.615,-46.546) 36.815,-46.549 36.815,-41.993 ccw(c35.615,-41.993) 36.759,-41.631 v1(36.758,-41.627)
  Bottom Layer w0.8: CT5.1@23.05,-53.532 27.023,-53.532 27.448,-53.958 R10.1@27.647,-53.958 27.845,-53.958 27.945,-53.858 27.945,-53.659 27.947,-53.657 27.947,-52.955 28.416,-52.486 v1(36.758,-52.486) ; CT4.1@23.05,-48.452 23.08,-48.483 27.752,-48.483 R8.1@27.782,-48.513 27.981,-48.513 28.081,-48.413 28.081,-47.444 28.549,-46.975 36.725,-46.975 v1(36.742,-46.959) ; CT3.1@23.05,-43.372 R6.1@27.033,-43.372 ; CT2.1@23.05,-38.292 26.698,-38.292 27.295,-37.695 R4.1@27.494,-37.695 27.692,-37.695 27.792,-37.595 27.792,-36.813 28.261,-36.344 36.606,-36.344 v1(36.753,-36.197) ; CT1.1@23.05,-33.212 23.516,-32.746 cw(c24.082,-33.312) 24.082,-32.512 27.473,-32.512 R2.1@27.672,-32.512 ; R6.1@27.524,-43.08 27.723,-43.08 27.823,-42.98 27.823,-42.256 28.451,-41.627 v1(36.758,-41.627)
  Bottom Layer w1.2: R2.1@27.672,-32.512 27.77,-32.413 27.77,-31.252 28.473,-30.549 36.685,-30.549 v1(36.756,-30.619) ; LM358.6@34.232,-25.244 LM358.7@36.772,-25.244
D2: "Qua dong.7" DUE.2 | length 3.6
  Bottom Layer w1.2: DUE.2@94.201,-0.422 97.846,-0.422
D3: "Qua dong.6" DUE.~3 | length 3.6
  Bottom Layer w1.2: DUE.~3@94.201,-2.962 97.846,-2.962
D4: "Qua dong.5" DUE.4 | length 3.5
  Bottom Layer w1.2: DUE.4@94.201,-5.502 97.739,-5.502
D5: "Qua dong.4" DUE.~5 | length 3.6
  Bottom Layer w1.2: DUE.~5@94.201,-8.042 97.846,-8.042
D6: "Qua dong.3" DUE.~6 | length 3.6
  Bottom Layer w1.2: DUE.~6@94.201,-10.582 97.846,-10.582
D8: DUE.8 R16.2 select.1 | length 63.8
  Bottom Layer w0.8: R16.2@98.74,-18.678 95.693,-18.678 DUE.8@94.201,-17.186 90.208,-17.186 ccw(c90.208,-17.986) 89.408,-17.986 89.408,-58.425 ccw(c90.208,-58.425) 90.208,-59.225 99.129,-59.225 99.644,-59.225 cw(c99.644,-60.025) 100.21,-59.46 101.347,-60.596 cw(c100.783,-61.163) select.1@101.348,-60.597
D9: "up irms.1" DUE.~9 R13.2 | length 48.3
  Bottom Layer w0.8: DUE.~9@94.201,-19.726 91.611,-19.726 ccw(c91.611,-20.526) 90.811,-20.526 90.811,-48.937 ccw(c91.611,-48.937) 91.611,-49.737 99.536,-49.737 cw(c99.536,-50.537) 100.102,-49.971 100.81,-50.679 101.109,-50.679 ; DUE.~9@94.417,-19.726 95.886,-21.195 R13.2@98.733,-21.195
D10: "down irms.1" DUE.~10 R12.2 | length 39.3
  Bottom Layer w0.8: R12.2@98.793,-23.328 98.793,-23.471 98.693,-23.571 95.722,-23.571 94.417,-22.266 DUE.~10@94.201,-22.266 cw(c93.73,-21.619) 93.73,-22.419 92.982,-22.419 ccw(c92.982,-23.219) 92.182,-23.219 92.182,-41.756 ccw(c92.982,-41.756) 92.982,-42.556 95.38,-42.556 ccw(c95.378,-41.756) 96.178,-41.756 96.178,-39.751 cw(c96.978,-39.753) 96.976,-38.953 99.256,-38.953 cw(c99.256,-39.753) 99.822,-39.188 100.939,-40.304 101.238,-40.304
EN: "Qua dong.9" RESET.2 | length 11.6
  Bottom Layer w0.8: RESET.2@90.23,5.141 90.384,5.295 90.384,6.726 90.921,7.263 97.204,7.263 97.809,6.658 97.809,4.695 97.846,4.658